# Altium PCB PCB_control_unit.PcbDoc (part 1 of 2) (continued)
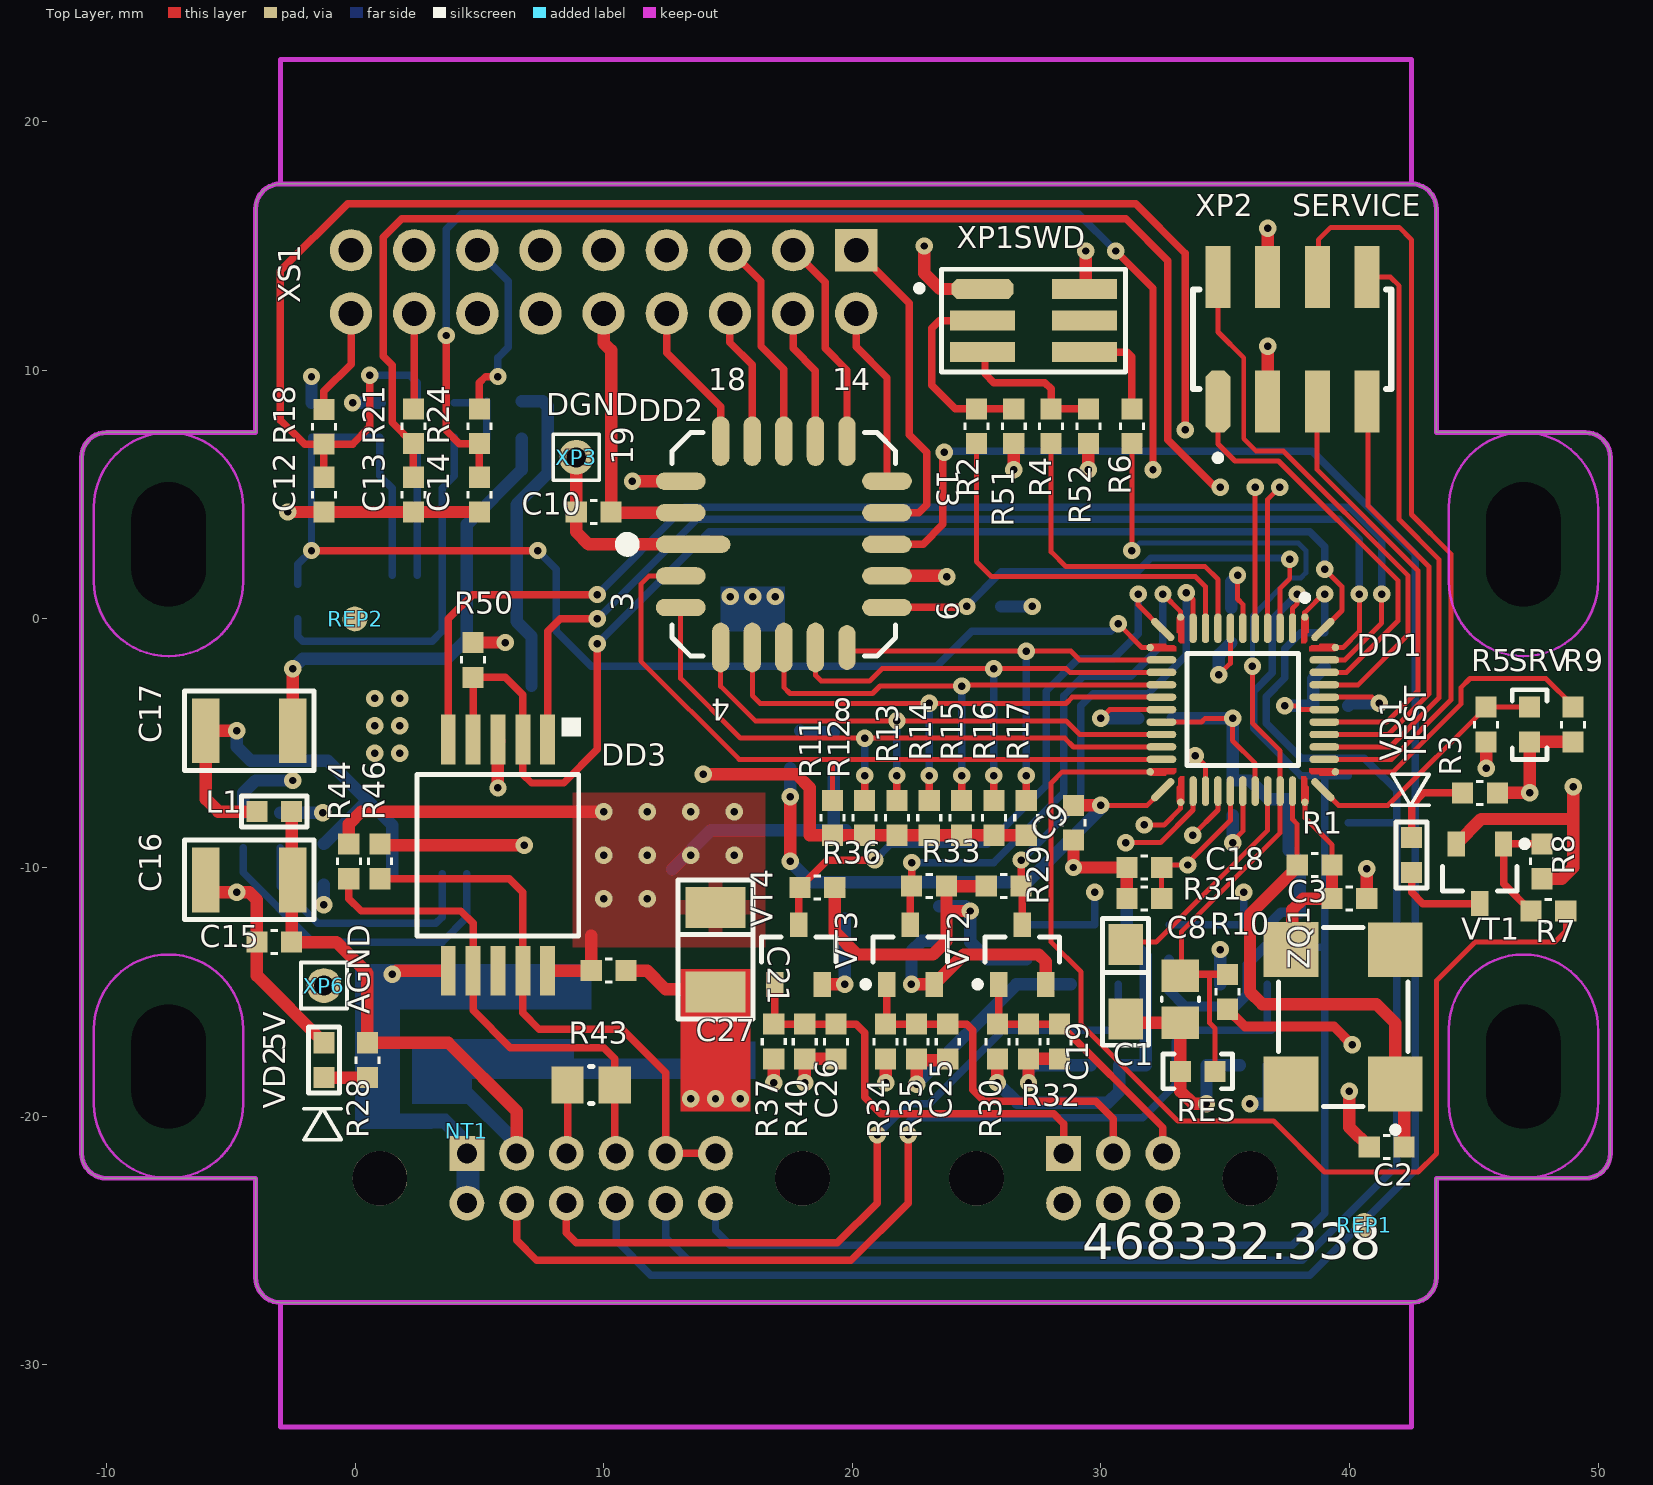
[diagram p0: Top Layer view]
## Design rules (kind name [scope] priority, off if disabled: settings) (continued)
HoleSize "Minimum HoleSize" [IsPad] p1: absolutevalues=TRUE maxlimit=5.9 minlimit=0.6 maxpercent=80.000 minpercent=20.000
HoleSize "Minimum HoleSize VIA 1" [IsVia] p2: absolutevalues=TRUE maxlimit=5.9 minlimit=0.3 maxpercent=80.000 minpercent=20.000 // Standart
HoleToHoleClearance Hole2HoleClearance [All] p1: gap=0.25 allowstackedmicrovias=FALSE
MinimumAnnularRing "Minimum AR PAD Standart" [All] p1: minimumring=0.2
MinimumSolderMaskSliver "SolderMask Bridge Advance" [HasFootprint('48-QLCC (МК 5162.48-1) - SMALL PADS') vs HasFootprint('48-QLCC (МК 5162.48-1) - SMALL PADS')] p1: minsoldermaskwidth=0.1 // Mask LDI for DD1
MinimumSolderMaskSliver "SolderMask Bridge Standart" [All] p2: minsoldermaskwidth=0.15 // Standart
PlaneClearance [All] p1: clearance=0.5
PlaneConnect [All] p1: planeconnectstyle=Relief reliefexpansion=0.5 reliefentries=4 reliefconductorwidth=0.3 reliefairgap=0.2
PolygonConnect PolygonConnect_PowerPAD [All vs InPadClass('PowerPAD')] p1: connectstyle=Direct reliefconductorwidth=1 reliefentries=4 polygonreliefangle="90 Angle" airgapwidth=0.3
PolygonConnect PolygonConnect_NetTie [IsNetTieComponent] p2: connectstyle=Direct reliefconductorwidth=0.4 reliefentries=4 polygonreliefangle="90 Angle" airgapwidth=0.2
PolygonConnect PolygonConnect_3.3V(D) [InNamedPolygon('+3.3V(D)_L01_P001') vs InNet('+3.3V(D)')] p3: connectstyle=Direct reliefconductorwidth=0.4 reliefentries=4 polygonreliefangle="90 Angle" airgapwidth=0.2
PolygonConnect PolygonConnect_Via [IsVia] p4: connectstyle=Direct reliefconductorwidth=0.254 reliefentries=4 polygonreliefangle="90 Angle" airgapwidth=0.254
PolygonConnect [All] p5: connectstyle=Relief reliefconductorwidth=0.6 reliefentries=4 polygonreliefangle="90 Angle" airgapwidth=0.3
RoutingCorners [All] p1 off: cornerstyle=45-Degree minsetback=2.54 maxsetback=2.54
RoutingVias [All] p1: holewidth=0.3 width=0.7 viastyle="Through Hole" minholewidth=0.3 minwidth=0.6 maxholewidth=5.9 maxwidth=6.4
SilkToSilkClearance Silk2SilkClearance [All] p1 off: silktosilkclearance=0.15
SilkToSolderMaskClearance Silk2SolderMaskClearance [IsPad] p1 off: minsilkscreentomaskgap=0.15 clearancetoexposedcopper=TRUE
SolderMaskExpansion SolderMaskExpansion_DD1 [InComponent('DD1')] p1: expansion=0.05 // Advance for DD1
SolderMaskExpansion SolderMaskExpansion_ALL [All] p2: expansion=0.1 // Standart
Width Silk [(OnLayer('Top Overlay') OR OnLayer('Bottom Overlay'))] p1: maxlimit=0.2 minlimit=0.15 preferedwidth=0.2
Width "Width 1 Oz" [All] p2: maxlimit=10 minlimit=0.15 preferedwidth=0.2 checkconnectedcopper=TRUE
20 further rules are at their usual default settings.

## Classes and differential pairs
pad class Hole: Free-KREP XP4-0

## Components (designator, comment, footprint, x,y, rotation, side; value= is the part's Value field where it differs from the comment)
C1 "Tantalum capacitor, 4.7мк, 10V, ±10%, 2Ohm, case A (3216), -55...+125°C" "CAP: TANTAL-A" 31,-14.6 r270 top value=4.7мк
C2 "Ceramic capacitor, 10, МП0, ±5%, 50V, 0603, -55...+125°C" "CAP: 0603P" 41.5,-21.25 r180 top value=10
C3 "Ceramic capacitor, 10, МП0, ±5%, 50V, 0603, -55...+125°C" "CAP: 0603P" 40,-11.25 r0 top value=10
C4 "Ceramic capacitor, 0.1мк, H90, +80-20%, 10V, 0603, -55...+125°C" "CAP: 0603P" 32.2,-4 r0 bottom value=0.1мк
C5 "Ceramic capacitor, 0.1мк, H90, +80-20%, 10V, 0603, -55...+125°C" "CAP: 0603P" 35.25,-0.25 r270 bottom value=0.1мк
C6 "Ceramic capacitor, 0.1мк, H90, +80-20%, 10V, 0603, -55...+125°C" "CAP: 0603P" 39.25,-3.5 r180 bottom value=0.1мк
C7 "Ceramic capacitor, 0.1мк, H90, +80-20%, 10V, 0603, -55...+125°C" "CAP: 0603P" 35.3,-7.2 r90 bottom value=0.1мк
C8 "Ceramic capacitor, 0.22мк, H90, +80/-20%, 25V, 0805 (2012M), -55...+125°C" "CAP: 0805P" 33.2,-15.3 r90 top value=0.22мк
C9 "Ceramic capacitor, 0.1мк, H90, +80-20%, 10V, 0603, -55...+125°C" "CAP: 0603P" 28.9,-8.2 r90 top value=0.1мк
C10 "Ceramic capacitor, 0.1мк, H90, +80-20%, 10V, 0603, -55...+125°C" "CAP: 0603P" 9.6,4.3 r0 top value=0.1мк
C11 "Ceramic capacitor, 0.1мк, H90, +80-20%, 10V, 0603, -55...+125°C" "CAP: 0603P" -1.25,-9.75 r90 bottom value=0.1мк
C12 "Ceramic capacitor, 0.01мк, H20, ±20%, 50V, 0603, -55...+125°C" "CAP: 0603P" -1.25,5 r270 top value=0.01мк
C13 "Ceramic capacitor, 0.1мк, H90, +80-20%, 10V, 0603, -55...+125°C" "CAP: 0603P" 2.35,5 r90 top value=0.1мк
C14 "Ceramic capacitor, 0.1мк, H90, +80-20%, 10V, 0603, -55...+125°C" "CAP: 0603P" 5,5 r90 top value=0.1мк
C15 "Ceramic capacitor, 0.1мк, H90, +80-20%, 10V, 0603, -55...+125°C" "CAP: 0603P" -3.25,-13 r0 top value=0.1мк
C16 "Ceramic capacitor, 4.7мк, H90, +80 -20%, 25V, 1812 (4532М) (4.5x3.2), -55...+125°C" "CAP: 1210" -4.25,-10.5 r0 top locked value=2.2мк
C17 "Ceramic capacitor, 4.7мк, H90, +80 -20%, 25V, 1812 (4532М) (4.5x3.2), -55...+125°C" "CAP: 1210" -4.25,-4.5 r180 top locked value=2.2мк
C18 "Ceramic capacitor, 0.1мк, H90, +80-20%, 10V, 0603, -55...+125°C" "CAP: 0603P" 31.75,-10 r0 top value=0.1мк
C19 "Ceramic capacitor, 0.01мк, H20, ±20%, 50V, 0603, -55...+125°C" "CAP: 0603P" 28.342,-17 r270 top value=0.01мк
C20 "Ceramic capacitor, 0.47мк, Н20, ±10%, 25V, 1210 (3225M)," "CAP: 1210" 6.3,-16.2 r270 bottom value=0.47мк
C21 "Tantalum capacitor, 15мк, 10V, ±10%, , case B (3528), -55...+125°C" "CAP: TANTAL-B" 14.5,-13.3 r270 top locked value=15мк
C22 "Ceramic capacitor, 0.1мк, H90, +80-20%, 10V, 0603, -55...+125°C" "CAP: 0603P" 23.5,-12.25 r90 bottom value=0.1мк
C23 "Ceramic capacitor, 4.7мк, H90, +80 -20%, 25V, 1812 (4532М) (4.5x3.2), -55...+125°C" "CAP: 1210" 19.75,-10.25 r90 bottom value=2.2мк
C24 "Ceramic capacitor, 4.7мк, H90, +80 -20%, 25V, 1812 (4532М) (4.5x3.2), -55...+125°C" "CAP: 1210" 16,-2.5 r270 bottom value=2.2мк
C25 "Ceramic capacitor, 0.01мк, H20, ±20%, 50V, 0603, -55...+125°C" "CAP: 0603P" 23.842,-17 r270 top value=0.01мк
C26 "Ceramic capacitor, 0.01мк, H20, ±20%, 50V, 0603, -55...+125°C" "CAP: 0603P" 19.342,-17 r270 top value=0.01мк
C27 "Ceramic capacitor, 0.1мк, H90, +80-20%, 10V, 0603, -55...+125°C" "CAP: 0603P" 10.2,-14.15 r0 top value=0.1мк
C28 "Ceramic capacitor, 0.01мк, H20, ±20%, 50V, 0603, -55...+125°C" "CAP: 0603P" 34.25,-17.25 r270 bottom value=0.01мк
C30 "Tantalum capacitor, 4.7мк, 10V, ±10%, 2Ohm, case A (3216), -55...+125°C" "CAP: TANTAL-A" 3.1,-16.3 r90 bottom value=4.7мк
C31 "Ceramic capacitor, 0.01мк, H20, ±20%, 50V, 0603, -55...+125°C" "CAP: 0603P" 28.25,-17.25 r270 bottom value=0.01мк
C32 "Ceramic capacitor, 0.01мк, H20, ±20%, 50V, 0603, -55...+125°C" "CAP: 0603P" -1.75,8 r90 bottom value=0.01мк
DA1 "IC comparator, Open Drain, от ± 1,5В до ± 16,5В, -60...+125°C, Н04.16-1В" 16-Н04.16-1B 3,-4.25 r270 bottom locked
DA2 "Linear voltage regulator, input 4.75...15V, 1.3V, output 3.3V, 0.8A, -40...+85°C, КТ-93-1" KT-93-1 12.75,-12.075 r180 bottom locked
DD1 "Motor control microcontroller, 32-Bit, RISC, 100MHz, 64KB, 16KB, 3,3 В ± 10 %., -60...+85°C, 48-QLCC (МК 5162.48-1)" "48-QLCC (МК 5162.48-1) - SMALL PADS" 35.711,-3.65 r270 top locked
DD2 "8 канальный буфер, 4.5..5.5V, -60...+125°C, 5121.20-A" "20-QLCC (5121.20-A)" 17.25,3 r180 top locked
DD3 "5559ИН28У" Н02.8-1В 5.75,-9.5 r270 top locked
L1 "Fixed inductor, 1мк, ±20%, 0603, 400mA, -55...+125°C" "IND: 0603" -3.25,-7.75 r0 top value=1мк
L2 "Fixed inductor, 1мк, ±20%, 0603, 400mA, -55...+125°C" "IND: 0603" 19.25,-5.25 r270 bottom value=1мк
NT1 "ValueManufacturerPartNumber" NETTIE_0603 4.5,-20.6 r90 top net-tie
R1 "Resistor film, 1М, ±5%, 0603, 0.1W, -55...+125°C" "RES: 0603P" 38.6,-9.9 r180 top value=1М
R2 "Resistor film, 22, ±5%, 0603, 0.1W, -55...+125°C" "RES: 0603P" 25,7.75 r90 top value=22
R3 "Resistor film, 330, ±5%, 0603, 0.1W, -55...+125°C" "RES: 0603P" 45.25,-7 r180 top value=330
R4 "Resistor film, 22, ±5%, 0603, 0.1W, -55...+125°C" "RES: 0603P" 28,7.75 r90 top value=22
R5 "Resistor film, 10k, ±5%, 0603, 0.1W, -55...+125°C" "RES: 0603P" 45.5,-4.25 r270 top value=10k
R6 "Resistor film, 22, ±5%, 0603, 0.1W, -55...+125°C" "RES: 0603P" 31.25,7.75 r90 top value=22
R7 "Resistor film, 10k, ±5%, 0603, 0.1W, -55...+125°C" "RES: 0603P" 48,-11.75 r0 top value=10k
R8 "Resistor film, 10k, ±5%, 0603, 0.1W, -55...+125°C" "RES: 0603P" 47.75,-9.75 r90 top value=10k
R9 "Resistor film, 10k, ±5%, 0603, 0.1W, -55...+125°C" "RES: 0603P" 49,-4.25 r90 top value=10k
R10 "Resistor film, 100k, ±5%, 0603, 0.1W, -55...+125°C" "RES: 0603P" 35.1,-15 r270 top value=100k
R11 "Resistor film, 10k, ±5%, 0603, 0.1W, -55...+125°C" "RES: 0603P" 19.2,-8 r270 top value=10k
R12 "Resistor film, 10k, ±5%, 0603, 0.1W, -55...+125°C" "RES: 0603P" 20.5,-8 r270 top value=10k
R13 "Resistor film, 10k, ±5%, 0603, 0.1W, -55...+125°C" "RES: 0603P" 21.8,-8 r270 top value=10k
R14 "Resistor film, 10k, ±5%, 0603, 0.1W, -55...+125°C" "RES: 0603P" 23.1,-8 r270 top value=10k
R15 "Resistor film, 10k, ±5%, 0603, 0.1W, -55...+125°C" "RES: 0603P" 24.4,-8 r270 top value=10k
R16 "Resistor film, 10k, ±5%, 0603, 0.1W, -55...+125°C" "RES: 0603P" 25.7,-8 r270 top value=10k
R17 "Resistor film, 10k, ±5%, 0603, 0.1W, -55...+125°C" "RES: 0603P" 27,-8 r270 top value=10k
R18 "Resistor film, 100, ±5%, 0603, 0.1W, -55...+125°C" "RES: 0603P" -1.25,7.73 r270 top value=100
R19 "Resistor film, 1k, ±1%, 0603, 0.1W, -55...+125°C" "RES: 0603P" 6,8.75 r180 bottom value=1k
R20 "Resistor film, 10k, ±5%, 0603, 0.1W, -55...+125°C" "RES: 0603P" 1,8 r270 bottom value=10k
R21 "Resistor film, 100, ±5%, 0603, 0.1W, -55...+125°C" "RES: 0603P" 2.35,7.75 r270 top value=100
R22 "Resistor film, 10k, ±5%, 0603, 0.1W, -55...+125°C" "RES: 0603P" 2.5,8 r270 bottom value=10k
R23 "Resistor film, 4.02k, ±1%, 0603, 0.1W, -55...+125°C" "RES: 0603P" 6,7.25 r0 bottom value=4.02k
R24 "Resistor film, 100, ±5%, 0603, 0.1W, -55...+125°C" "RES: 0603P" 5,7.75 r270 top value=100
R25 "Resistor film, 10k, ±5%, 0603, 0.1W, -55...+125°C" "RES: 0603P" -3,-8.5 r90 bottom value=10k
R26 "Resistor film, 10k, ±5%, 0603, 0.1W, -55...+125°C" "RES: 0603P" -4.5,-8.5 r90 bottom value=10k
R27 "Resistor film, 1k, ±1%, 0603, 0.1W, -55...+125°C" "RES: 0603P" 31.75,-10 r0 bottom value=1k
R28 "Resistor film, 680, ±5%, 0603, 0.1W, -55...+125°C" "RES: 0603P" 0.5,-17.75 r270 top value=680
R29 "Resistor film, 10k, ±5%, 0603, 0.1W, -55...+125°C" "RES: 0603P" 26.092,-10.75 r0 top value=10k
R30 "Resistor film, 1k, ±1%, 0603, 0.1W, -55...+125°C" "RES: 0603P" 25.842,-17 r90 top value=1k
R31 "Resistor film, 1k, ±1%, 0603, 0.1W, -55...+125°C" "RES: 0603P" 31.75,-11.25 r180 top value=1k
R32 "Resistor film, 10k, ±5%, 0603, 0.1W, -55...+125°C" "RES: 0603P" 27.092,-17 r90 top value=10k
R33 "Resistor film, 10k, ±5%, 0603, 0.1W, -55...+125°C" "RES: 0603P" 23.092,-10.75 r180 top value=10k
R34 "Resistor film, 1k, ±1%, 0603, 0.1W, -55...+125°C" "RES: 0603P" 21.342,-17 r90 top value=1k
R35 "Resistor film, 10k, ±5%, 0603, 0.1W, -55...+125°C" "RES: 0603P" 22.592,-17 r90 top value=10k
R36 "Resistor film, 10k, ±5%, 0603, 0.1W, -55...+125°C" "RES: 0603P" 18.6,-10.8 r180 top value=10k
R37 "Resistor film, 1k, ±1%, 0603, 0.1W, -55...+125°C" "RES: 0603P" 16.842,-17 r90 top value=1k
R38 "Resistor film, 10k, ±5%, 0603, 0.1W, -55...+125°C" "RES: 0603P" 39,-1.25 r90 bottom value=10k
R39 "Resistor film, 10k, ±5%, 0603, 0.1W, -55...+125°C" "RES: 0603P" 38,-12.5 r270 bottom value=10k
R40 "Resistor film, 10k, ±5%, 0603, 0.1W, -55...+125°C" "RES: 0603P" 18.092,-17 r90 top value=10k
R41 "Resistor film, 10k, ±5%, 0603, 0.1W, -55...+125°C" "RES: 0603P" 32.75,-13 r90 bottom value=10k
R42 "Resistor film, 1k, ±1%, 0603, 0.1W, -55...+125°C" "RES: 0603P" 36.75,-17.25 r90 bottom value=1k
R43 "Resistor film, 120, ±5%, 0805, 0.125W, -55...+125°C" "RES: 0805P" 9.5,-18.75 r0 top value=120
R44 "Resistor film, 1k, ±1%, 0603, 0.1W, -55...+125°C" "RES: 0603P" -0.25,-9.75 r270 top value=1k
R45 "Resistor film, 10k, ±5%, 0603, 0.1W, -55...+125°C" "RES: 0603P" 35.5,-17.25 r90 bottom value=10k
R46 "Resistor film, 1k, ±1%, 0603, 0.1W, -55...+125°C" "RES: 0603P" 1,-9.75 r90 top value=1k
R47 "Resistor film, 10k, ±5%, 0603, 0.1W, -55...+125°C" "RES: 0603P" 27,-13 r90 bottom value=10k
R48 "Resistor film, 1k, ±1%, 0603, 0.1W, -55...+125°C" "RES: 0603P" 30.75,-17.25 r90 bottom value=1k
R49 "Resistor film, 10k, ±5%, 0603, 0.1W, -55...+125°C" "RES: 0603P" 29.5,-17.25 r90 bottom value=10k
R50 "Resistor film, 10k, ±5%, 0603, 0.1W, -55...+125°C" "RES: 0603P" 4.75,-1.65 r90 top value=10k
R51 "Resistor film, 10k, ±5%, 0603, 0.1W, -55...+125°C" "RES: 0603P" 26.5,7.75 r90 top value=10k
R52 "Resistor film, 10k, ±5%, 0603, 0.1W, -55...+125°C" "RES: 0603P" 29.5,7.75 r90 top value=10k
R53 "Resistor film, 100k, ±5%, 0603, 0.1W, -55...+125°C" "RES: 0603P" -2.3,0.7 r90 bottom value=100k
R54 "Resistor film, 10k, ±5%, 0603, 0.1W, -55...+125°C" "RES: 0603P" 4,8 r270 bottom value=10k
R55 "Resistor film, 10k, ±5%, 0603, 0.1W, -55...+125°C" "RES: 0603P" 26,1.2 r270 bottom value=10k
REP1 "" REPER 40.6,-24.4 r0 top locked
REP2 "" REPER 0,0 r0 top locked
REP3 "" REPER 37,12.5 r180 bottom locked
REP4 "" REPER 20.25,-16.75 r180 bottom locked
RES "ValueManufacturerPartNumber" "CON: JUMPER X1" 33.9,-18.2 r0 top
SRV "ValueManufacturerPartNumber" "CON: JUMPER X1" 47.25,-4.25 r90 top
VD1 "LED, 20mA max, 2.1V typ, 1608, -55...+150°C" "LED: 0603G" 42.5,-9.5 r270 top
VD2 "LED, 20mA max, 1.9V@4mA, 1608, -55...+150°C" "LED: 0603G" -1.25,-17.75 r90 top
VD3 "Diode array common anode, 50V, 200mA, 1.1V, , SOT-23," SOT23 38.75,-7.25 r180 bottom
VT1 "NPN transistor, 30V, 100mA, , 300mW, 0.7V, 500, SOT-23 (КТ-46), -55...+125°C" SOT23 45.25,-10.25 r270 top
VT2 "NPN transistor, 30V, 100mA, , 300mW, 0.7V, 500, SOT-23 (КТ-46), -55...+125°C" SOT23 26.842,-13.5 r90 top
VT3 "NPN transistor, 30V, 100mA, , 300mW, 0.7V, 500, SOT-23 (КТ-46), -55...+125°C" SOT23 22.342,-13.5 r90 top
VT4 "NPN transistor, 30V, 100mA, , 300mW, 0.7V, 500, SOT-23 (КТ-46), -55...+125°C" SOT23 17.842,-13.5 r90 top
VT5 "NPN transistor, 30V, 100mA, , 300mW, 0.7V, 500, SOT-23 (КТ-46), -55...+125°C" SOT23 35.75,-13.5 r90 bottom
VT6 "NPN transistor, 30V, 100mA, , 300mW, 0.7V, 500, SOT-23 (КТ-46), -55...+125°C" SOT23 29.75,-13.5 r90 bottom
XP1 "SWD" "CON: PLLD-6-S" 27.292,12 r270 top locked
XP2 "SERVICE" "CON: PLD2-8-S" 37.711,11.25 r180 top locked
XP3 "DGND" "CON: PLS2-1" 8.9,6.5 r0 top locked
XP4 "Вилка, 6pin, 2mm, 120VAC, 1.5A" "CON: M80-5000605" 30.5,-22.5 r270 bottom locked
XP5 "Вилка, 12pin, 2mm, 100V, 1.5A" "CON: M80-5001205" 9.5,-22.5 r270 bottom locked
XP6 "AGND" "CON: PLS2-1" -1.25,-14.75 r0 top locked
XS1 "Connector, 18pin, 2.54mm, 500VAC, 3A" "CON: PBD-18" 20.16,14.83 r180 bottom locked
ZQ1 "Oscilator, 12MHz, CMOS, ±30ppm, case 5070, -40...+85°C" "OSC: 5070G" 39.75,-16 r90 top locked

## Footprints (in the part's own frame and the unit in brackets; to place one, negate y for a bottom-side part, rotate by r counter-clockwise, add the part's x,y. Pads: shape width x height; smd on the part's side, far side on the other; paste and mask are expansions set on the pad)
16-Н04.16-1B [mm] "USSR"
  rect 0.6x2 smd: 1(-0.5,6) 8(-0.5,-6) 9(0.5,-6) 16(0.5,6)
  rect 2x0.6 smd: 2(-6,2.5) 3(-6,1.5) 4(-6,0.5) 5(-6,-0.5) 6(-6,-1.5) 7(-6,-2.5) 10(6,-2.5) 11(6,-1.5) 12(6,-0.5) 13(6,0.5) 14(6,1.5) 15(6,2.5)
  silkscreen extent -4.6,-4.65 4.65,7.13, body extent -7.84,-8 7.84,8, height 2.92
"20-QLCC (5121.20-A)" [mm] "LCC, 20-Pins, Body 8,89x8,89mmx2,55mm, Pitch 1,27mm, IPC Medium Density"
  oval 3x0.7 smd: 1(3.65,0)
  oval 2x0.7 smd: 2(4.15,1.27) 3(4.15,2.54) 9(-4.15,2.54) 10(-4.15,1.27) 11(-4.15,0) 12(-4.15,-1.27) 13(-4.15,-2.54) 19(4.15,-2.54) 20(4.15,-1.27)
  oval 0.7x2 smd: 4(2.54,4.15) 5(1.27,4.15) 6(0,4.15) 7(-1.27,4.15) 14(-2.54,-4.15) 15(-1.27,-4.15) 16(0,-4.15) 17(1.27,-4.15) 18(2.54,-4.15)
  oval 0.7x1.8 smd: 8(-2.54,4.15)
  silkscreen extent -4.5,-4.5 6.55,4.5, body extent -4.44,-4.44 4.45,4.45, height 2.12
"48-QLCC (МК 5162.48-1) - SMALL PADS" [mm] "QFN-cl-h-48-0.5-002 Тихонов Е.Н., clearance 0.15"
  round 0.3 smd mask+0.05: 1(-3.725,2.5) 11(-3.725,-2.5) 13(-2.5,-3.725) 23(2.5,-3.725) 25(3.725,-2.5) 35(3.725,2.5) 37(2.5,3.725) 47(-2.5,3.725)
  oval 1.2x0.3 smd mask+0.05: 2(-3.275,2) 3(-3.275,1.5) 4(-3.275,1) 5(-3.275,0.5) 6(-3.275,0) 7(-3.275,-0.5) 8(-3.275,-1) 9(-3.275,-1.5) 10(-3.275,-2) 26(3.275,-2) 27(3.275,-1.5) 28(3.275,-1) 29(3.275,-0.5) 30(3.275,0) 31(3.275,0.5) 32(3.275,1) 33(3.275,1.5) 34(3.275,2)
  oval 0.3x1.2 smd rot 135 mask+0.05: 12(-3.22,-3.22) 36(3.22,3.22)
  oval 0.3x1.2 smd mask+0.05: 14(-2,-3.275) 15(-1.5,-3.275) 16(-1,-3.275) 17(-0.5,-3.275) 18(0,-3.275) 19(0.5,-3.275) 20(1,-3.275) 21(1.5,-3.275) 22(2,-3.275) 38(2,3.275) 39(1.5,3.275) 40(1,3.275) 41(0.5,3.275) 42(0,3.275) 43(-0.5,3.275) 44(-1,3.275) 45(-1.5,3.275) 46(-2,3.275)
  oval 0.3x1.2 smd rot 45 mask+0.05: 24(3.22,-3.22) 48(-3.22,3.22)
  Top Layer region: -2.675,-2.526 -2.675,-2.35 -3.725,-2.35 -3.725,-2.65 -3.1,-2.65 -3.05,-2.6 -2.75,-2.6
  Top Layer region: -2.526,-2.675 -2.35,-2.675 -2.35,-3.725 -2.65,-3.725 -2.65,-3.1 -2.6,-3.05 -2.6,-2.75
  Top Layer region: 2.675,-2.526 2.675,-2.35 3.725,-2.35 3.725,-2.65 3.1,-2.65 3.05,-2.6 2.75,-2.6
  Top Layer region: 2.526,-2.675 2.35,-2.675 2.35,-3.725 2.65,-3.725 2.65,-3.1 2.6,-3.05 2.6,-2.75
  Top Layer region: 2.526,2.675 2.35,2.675 2.35,3.725 2.65,3.725 2.65,3.1 2.6,3.05 2.6,2.75
  Top Layer region: 2.675,2.526 2.675,2.35 3.725,2.35 3.725,2.65 3.1,2.65 3.05,2.6 2.75,2.6
  Top Layer region: -2.675,2.526 -2.675,2.35 -3.725,2.35 -3.725,2.65 -3.1,2.65 -3.05,2.6 -2.75,2.6
  Top Layer region: -2.526,2.675 -2.35,2.675 -2.35,3.725 -2.65,3.725 -2.65,3.1 -2.6,3.05 -2.6,2.75
  silkscreen extent -4.62,-2.25 2.25,2.63, body extent -3,-3 3,3, height 1.61
"CAP: 0603P" [mm] "small var"
  rect 0.85x0.85 smd: 1(-0.7,0) 2(0.7,0)
  silkscreen extent -0.15,-0.52 0.15,0.53, body extent -0.8,-0.4 0.8,0.4, height 0.3
"CAP: 0805P" [mm] "small footprint"
  rect 1.3x1.5 smd: 1(-0.95,0) 2(0.95,0)
  Top Layer pour cut-out: -0.25,-0.75 -0.25,0.75 0.25,0.75 0.25,-0.75
  silkscreen extent -0.08,-0.75 0.08,0.75, body extent -1,-0.62 1,0.63, height 0.78
"CAP: 1210" [mm]
  rect 1.1x2.6 smd: 1(-1.75,0) 2(1.75,0)
  silkscreen extent -2.6,-1.6 2.6,1.6, body extent -2,-1.24 2,1.24, height 1.7
"CAP: TANTAL-A" [mm]
  rect 1.65x1.4 smd: 1(-1.5,0) 2(1.5,0)
  silkscreen extent -2.55,-0.92 2.55,0.92, body extent -1.7,-0.84 1.7,0.84, height 1.71
"CAP: TANTAL-B" [mm]
  rect 1.65x2.4 smd: 1(-1.7,0) 2(1.7,0)
  silkscreen extent -2.8,-1.5 2.8,1.5, body extent -1.85,-1.46 1.85,1.47, height 2.03
"CON: JUMPER X1" [mm]
  rect 0.85x0.85 smd: 1(-0.7,0) 2(0.7,0)
  silkscreen extent -1.4,-0.7 1.4,0.7
"CON: M80-5000605" [mm] "HR500"
  round 2.2 hole 2.2 unplated mask+0.2: 0(0,-5.5) 0(0,5.5)
  rect 1.4x1.4 hole 0.8: 1(-1,2)
  round 1.4 hole 0.8: 2(1,2) 3(-1,0) 4(1,0) 5(-1,-2) 6(1,-2)
  Top Layer keep-out lines w0.1: 1.75,7.25 1.75,3.75 -1.75,3.75 -1.75,7.25 1.75,7.25 ; 1.75,-3.75 1.75,-7.25 -1.75,-7.25 -1.75,-3.75 1.75,-3.75
  Bottom Layer pour cut-out: 2.2,-5.5 1.982,-4.545 1.372,-3.78 0.49,-3.355 -0.49,-3.355 -1.372,-3.78 -1.982,-4.545 -2.2,-5.5 -2.2,-5.5 -1.982,-6.455 -1.372,-7.22 -0.49,-7.645 0.49,-7.645 1.372,-7.22 1.982,-6.455 2.2,-5.5
  Bottom Layer pour cut-out: 2.2,5.5 1.982,6.455 1.372,7.22 0.49,7.645 -0.49,7.645 -1.372,7.22 -1.982,6.455 -2.2,5.5 -2.2,5.5 -1.982,4.545 -1.372,3.78 -0.49,3.355 0.49,3.355 1.372,3.78 1.982,4.545 2.2,5.5
  silkscreen extent -3,-8 3.25,8, body extent -2.78,-8 3.27,8, height 5.6
"CON: M80-5001205" [mm] "без винтов"
  round 2.2 hole 2.2 unplated mask+0.2: 0(0,-8.5) 0(0,8.5)
  rect 1.4x1.4 hole 0.8: 1(-1,5)
  round 1.4 hole 0.8: 2(1,5) 3(-1,3) 4(1,3) 5(-1,1) 6(1,1) 7(-1,-1) 8(1,-1) 9(-1,-3) 10(1,-3) 11(-1,-5) 12(1,-5)
  Top Layer keep-out lines w0.1: 1.75,10.25 -1.75,10.25 -1.75,6.75 1.75,6.75 1.75,10.25 ; 1.75,-6.75 -1.75,-6.75 -1.75,-10.25 1.75,-10.25 1.75,-6.75
  Bottom Layer pour cut-out: 2.2,8.5 1.982,9.455 1.372,10.22 0.49,10.645 -0.49,10.645 -1.372,10.22 -1.982,9.455 -2.2,8.5 -2.2,8.5 -1.982,7.545 -1.372,6.78 -0.49,6.355 0.49,6.355 1.372,6.78 1.982,7.545 2.2,8.5
  Bottom Layer pour cut-out: 2.2,-8.5 1.982,-7.545 1.372,-6.78 0.49,-6.355 -0.49,-6.355 -1.372,-6.78 -1.982,-7.545 -2.2,-8.5 -2.2,-8.5 -1.982,-9.455 -1.372,-10.22 -0.49,-10.645 0.49,-10.645 1.372,-10.22 1.982,-9.455 2.2,-8.5
  silkscreen extent -3,-10.97 3.25,10.97, body extent -2.78,-11 3.27,11, height 5.6
"CON: PBD-18" [mm] "PBD-18"
  rect 1.7x1.7 hole 1: 1(0,0)
  round 1.7 hole 1: 2(0,-2.54) 3(2.54,0) 4(2.54,-2.54) 5(5.08,0) 6(5.08,-2.54) 7(7.62,0) 8(7.62,-2.54) 9(10.16,0) 10(10.16,-2.54) 11(12.7,0) 12(12.7,-2.54) 13(15.24,0) 14(15.24,-2.54) 15(17.78,0) 16(17.78,-2.54) 17(20.32,0) 18(20.32,-2.54)
  silkscreen extent -1.42,-3.95 21.74,1.41, body extent -1.27,-3.81 21.59,1.27, height 8.5
"CON: PLD2-8-S" [mm] "двухрядные штыри, шаг 2мм; SMD"
  oct 1x2.5 smd mask+0.1: 1(3,2.5)
  rect 1x2.5 smd mask+0.1: 2(3,-2.5) 3(1,2.5) 4(1,-2.5)
  rect 1x2.5 smd: 5(-1,2.5) 6(-1,-2.5) 7(-3,2.5) 8(-3,-2.5)
  silkscreen extent -3.97,-2 4,4.9, body extent -4,-3.1 4,3.1, height 6
"CON: PLLD-6-S" [mm] "smd 6 pin"
  oct 0.8x2.5 smd: 1(-1.27,-2.05)
  rect 0.8x2.6 smd: 2(-1.27,2.05) 3(0,-2.05) 4(0,2.05) 5(1.27,-2.05) 6(1.27,2.05)
  silkscreen extent -2.06,-4.72 2.06,3.7, body extent -1.9,-2.77 1.91,2.8, height 4.4
"CON: PLS2-1" [mm] "1 Position,pitch 2mm"
  round 1.4 hole 0.8: 1(0,0)
  silkscreen extent -0.92,-0.92 0.92,0.92, body extent -1,-1 1,1, height 6
"IND: 0603" [mm]
  rect 0.85x0.85 smd: 1(-0.7,0) 2(0.7,0)
  silkscreen extent -1.33,-0.63 1.33,0.63, body extent -0.8,-0.4 0.8,0.4, height 0.8
KT-93-1 [mm]
  rect 7.7x6.1 smd mask+0.075: 1(0,2)
  rect 2.9x3.5 smd mask+0.075: 2(-1.905,-3.35) 3(1.905,-3.35)
  silkscreen extent -4.25,-5.5 4.25,5.25, body extent -3.75,-5.07 3.75,5.03, height 3
"LED: 0603G" [mm]
  rect 0.85x0.85 smd: 1(-0.7,0) 2(0.7,0)
  silkscreen extent -1.33,-0.63 1.33,0.63, body extent -0.8,-0.4 0.8,0.4, height 0.6
NETTIE_0603 [mm]
  rect 0.85x1 on Mid2: 1(-0.7,0) 2(0.7,0)
  INT2 region: -0.3,-0.5 0.3,-0.5 0.3,0.5 -0.3,0.5
"OSC: 5070G" [mm]
  rect 2.2x2.2 smd: 1(-2.705,-2.1) 2(2.695,-2.1) 3(2.705,2.1) 4(-2.705,2.1)
  silkscreen extent -4.67,-2.6 3.6,2.6, body extent -3.51,-2.5 3.49,2.5, height 1.51
REPER [mm] "реперная метка для станка"
  round 1 smd mask+0.5: R(0,0)
  Top Layer pour cut-out: 0.017,-1 -0.367,-0.93 -0.695,-0.719 -0.917,-0.399 -1,-0.017 -1,-0.017 -0.93,0.366 -0.719,0.695 -0.399,0.917 -0.017,1 -0.017,1 0.367,0.93 0.695,0.719 0.917,0.399 1,0.017 1,0.017 0.93,-0.367 0.719,-0.695 0.399,-0.917 0.017,-1
"RES: 0603P" [mm] "small footprint"
  rect 0.85x0.85 smd: 1(-0.7,0) 2(0.7,0)
  silkscreen extent -0.15,-0.52 0.15,0.53, body extent -0.8,-0.4 0.8,0.4, height 0.44
"RES: 0805P" [mm] "small footprint"
  rect 1.3x1.5 smd: 1(-0.95,0) 2(0.95,0)
  Top Layer pour cut-out: -0.25,-0.75 -0.25,0.75 0.25,0.75 0.25,-0.75
  silkscreen extent -0.08,-0.75 0.08,0.75, body extent -1,-0.62 1,0.63, height 0.6
SOT23 [mm]
  rect 1x0.7 smd: 1(-1.2,0.95) 2(-1.2,-0.95) 3(1.2,0)
  silkscreen extent -1.33,-1.5 0.7,1.92, body extent -1.32,-1.52 1.32,1.52, height 1.12
Н02.8-1В [mm] "USSR"
  rect 2x0.6 smd: 1(-4.65,2) 2(-4.65,1) 3(-4.65,-1) 4(-4.65,-2) 5(4.65,-2) 6(4.65,-1) 7(4.65,1) 8(4.65,2) 9(-4.65,0) 10(4.65,0)
  silkscreen extent -5.53,-3.25 3.25,3.32, body extent -4.75,-3.25 4.75,3.25, height 2.85

## Part data
C1 C30: library part Tantal_A, Manufacturer=Элеконд, Package="case A (3216)", PartNumber="К53-68 \"А\"-10 В-4.7 мкф", Temperature=-55...+125°C, Tolerance=±10%, TypeCapacitor="Tantalum capacitor", TypeDielectric=X7R, Voltage=10V, HelpURL=https://www.digikey.com/product-detail/en/avx-corporation/F930J107KAAAJ6/478-12404-1-ND/9645231, Impedance=2Ohm, MAX=00130629, ValueManufacturerPartNumber="Tantalum capacitor, 4.7мк, 10V, ±10%, 2Ohm, case A (3216), -55...+125°C"
C2 C3: library part Ceramic_0603, Manufacturer=Монолит, Package=0603, PartNumber="К10-84в-1608М-50В-10 пФ ±5%-МП0-N-A", Temperature=-55...+125°C, Tolerance=±5%, TypeCapacitor="Ceramic capacitor", TypeDielectric=МП0, Voltage=50V, Analog="00133079 (pin-to-pin)", ValueManufacturerPartNumber="Ceramic capacitor, 10, МП0, ±5%, 50V, 0603, -55...+125°C"
C4 C5 C6 C7 C9 C10 C11 C13 C14 C15 C18 C22 C27: library part Ceramic_0603, Manufacturer=Гириконд, Package=0603, PartNumber="К10-79-10В-0,1 мкФ +80-20% H90", Temperature=-55...+125°C, Tolerance=+80-20%, TypeCapacitor="Ceramic capacitor", TypeDielectric=H90, Voltage=10V, HelpURL=http://www.giricond.ru/files/k10-79_vp_2018_saiyt.pdf, ValueManufacturerPartNumber="Ceramic capacitor, 0.1мк, H90, +80-20%, 10V, 0603, -55...+125°C"
  C4 C5 C6 C7 C9 C10 C11 C13 C14: MAX=00131675
C8: library part Ceramic_5750M, Manufacturer=Монолит, Package="0805 (2012M)", PartNumber="К10-84в-1608М-25В-220 нФ +80/-20%-Н90-N-A", Temperature=-55...+125°C, Tolerance=+80/-20%, TypeCapacitor="Ceramic capacitor", TypeDielectric=H90, Voltage=25V, Analog="MAX 00131682 (pin-to-pin)", ValueManufacturerPartNumber="Ceramic capacitor, 0.22мк, H90, +80/-20%, 25V, 0805 (2012M), -55...+125°C"
C12 C19 C25 C26 C28 C31 C32: library part Ceramic_0603, Manufacturer=Монолит, Package=0603, PartNumber="К10-84в-1608М-50В-0.01мк ±20%-Н20-N-A", Temperature=-55...+125°C, Tolerance=±20%, TypeCapacitor="Ceramic capacitor", TypeDielectric=H20, Voltage=50V, Analog="MAX 00131676 (pin-to-pin)", HelpURL=http://www.monolit.vitebsk.by/Files/K10-84.pdf, ValueManufacturerPartNumber="Ceramic capacitor, 0.01мк, H20, ±20%, 50V, 0603, -55...+125°C"
C16 C17 C23 C24: library part Ceramic_1210, Manufacturer=Монолит, Package="1210 (3225М)", PartNumber="К10-84в-3225М-25В-2,2 мкФ +80/-20%-Н90-N-A", Temperature=-55...+125°C, Tolerance="+80 -20%", TypeCapacitor="Ceramic capacitor", TypeDielectric=H90, Voltage=25V, HelpURL=https://www.digikey.com/product-detail/en/yageo/CC1210KKX7R9BB104/311-4522-1-ND/8025611, ValueManufacturerPartNumber="Ceramic capacitor, 4.7мк, H90, +80 -20%, 25V, 1812 (4532М) (4.5x3.2), -55...+125°C"
C20: library part Ceramic_0603, Manufacturer=Монолит, Package="1210 (3225M)", PartNumber="К10-84в-3225М-25В-0,47 мкФ ±10%-Н20-N-A", Tolerance=±10%, TypeCapacitor="Ceramic capacitor", TypeDielectric=Н20, Voltage=25V, Analog="MAX 00150226", HelpURL=http://www.monolit.vitebsk.by/Files/K10-84.pdf, ValueManufacturerPartNumber="Ceramic capacitor, 0.47мк, Н20, ±10%, 25V, 1210 (3225M),"
C21: library part Tantal_B, Manufacturer="\"Элеконд\"", Package="case B (3528)", PartNumber="К53-68 В-10 В-15 мкФ ±10%", Temperature=-55...+125°C, Tolerance=±10%, TypeCapacitor="Tantalum capacitor", Voltage=10V, MAX=00130628, ValueManufacturerPartNumber="Tantalum capacitor, 15мк, 10V, ±10%, , case B (3528), -55...+125°C"
DA1: library part 5545СА2У3, "Comparator USSR", Manufacturer="НПП ВОСТОК", Package=Н04.16-1В, Temperature=-60...+125°C, Analog=LM2903D, ComponentType="IC comparator", HelpURL=http://www.vostok.nsk.su/files/pdf/152181836987_5545ca2u3.pdf, OutputType="Open Drain", PartNumber=5545СА2У3, Supply="от ± 1,5В до ± 16,5В", TY="АЕЯР.431350.632-02 ТУ", ValueManufacturerPartNumber="IC comparator, Open Drain, от ± 1,5В до ± 16,5В, -60...+125°C, Н04.16-1В"
DA2: library part 1325ЕР1У, "Linear voltage regulator 3V3", CurrentOutput=0.8A, Manufacturer=Интеграл, Package=КТ-93-1, PartNumber=1325ЕН3.3У, Temperature=-40...+85°C, VoltageInput="input 4.75...15V", VoltageOutput="output 3.3V", ComponentType="Linear voltage regulator", HelpURL=https://www.integral.by/sites/default/files/pdf/specifikaciya_serii_1325.pdf, MAX=00141284, MaxDropout=1.3V, ValueManufacturerPartNumber="Linear voltage regulator, input 4.75...15V, 1.3V, output 3.3V, 0.8A, -40...+85°C, КТ-93-1"
DD1: library part 1921ВК035, "Cortex-M4F", Manufacturer=НИИЭТ, Package="48-QLCC (МК 5162.48-1)", Temperature=-60...+85°C, ComponentType="Motor control microcontroller", CoreProcessor=RISC, CoreSize=32-Bit, HelpURL=https://niiet.ru/goods/tranzmod/newtr, MemoryRAM=16KB, MemoryROM=64KB, PartNumber=1921ВК035, Speed=100MHz, Supply="3,3 В ± 10 %.", ValueManufacturerPartNumber="Motor control microcontroller, 32-Bit, RISC, 100MHz, 64KB, 16KB, 3,3 В ± 10 %., -60...+85°C, 48-QLCC (МК 5162.48-1)"
DD2: library part 5514БЦ1У2-541, "USSR Buffer QFN", Manufacturer=Анстрем, Package=5121.20-A, Temperature=-60...+125°C, Analog="функц.-й аналог 74(54)HC 541", ComponentType="8 канальный буфер", PartNumber=5514БЦ1У2-541, Supply=4.5..5.5V, ValueManufacturerPartNumber="8 канальный буфер, 4.5..5.5V, -60...+125°C, 5121.20-A"
DD3: "RS485 USSR", Manufacturer=Миландр, Package=Н02.8-1В, DataRate="30 Mbs", HelpURL=https://ic.milandr.ru/products/interfeysnye_mikroskhemy/rs485-rs422/5559in28u/, MAX=00148111, PartNumber=5559ИН28У, Supply=3-5V, Type="RS-485 transceiver"
L1 L2: library part Inductor_0603, Manufacturer=ЭРКОН, MaxCurrent=400mA, Package=0603, PartNumber="КИФ1608-1000 нГн ±20% О-А РКМУ.671340.002 ТУ", Temperature=-55...+125°C, Tolerance=±20%, TypeInductor="Fixed inductor", HelpURL=https://www.erkon-nn.ru/catalog/14/kif-vp/, R="0,8 Ом", ValueManufacturerPartNumber="Fixed inductor, 1мк, ±20%, 0603, 400mA, -55...+125°C"
NT1: library part NetTie
R1: library part Resistor_0603, Manufacturer="ОАО Ресурс", Package=0603, PartNumber="Р1-12-0,1ум.-1~МОм ±5%-М ШКАБ.434110.002 ТУ", Power=0.1W, Temperature=-55...+125°C, Tolerance=±5%, TypeResistor="Resistor film", HelpURL=https://aoresurs.com/catalog/chip_rezistory/rezistory-r1-12-kategoriya-kachestva-vp-/, MAX=00133970, ValueManufacturerPartNumber="Resistor film, 1М, ±5%, 0603, 0.1W, -55...+125°C"
R2 R4 R6: library part Resistor_0603, Manufacturer="ОАО Ресурс", Package=0603, PartNumber="Р1-12-0,1ум.-22~Ом ±5%-М ШКАБ.434110.002 ТУ", Power=0.1W, Temperature=-55...+125°C, Tolerance=±5%, TypeResistor="Resistor film", HelpURL=https://aoresurs.com/catalog/chip_rezistory/rezistory-r1-12-kategoriya-kachestva-vp-/, MAX=00134024, ValueManufacturerPartNumber="Resistor film, 22, ±5%, 0603, 0.1W, -55...+125°C"
R3: library part Resistor_0603, Manufacturer="ОАО Ресурс", Package=0603, PartNumber="Р1-12-0,1ум.-330~Ом ±5%-М ШКАБ.434110.002 ТУ", Power=0.1W, Temperature=-55...+125°C, Tolerance=±5%, TypeResistor="Resistor film", HelpURL=https://aoresurs.com/catalog/chip_rezistory/rezistory-r1-12-kategoriya-kachestva-vp-/, MAX=00134047, ValueManufacturerPartNumber="Resistor film, 330, ±5%, 0603, 0.1W, -55...+125°C"
R5 R7 R8 R9 R11 R12 R13 R14 R15 R16 R17 R20 R22 R25 R26 R29 R32 R33 R35 R36 R38 R39 R40 R41 R45 R47 R49 R50 R51 R52 R54 R55: library part Resistor_0603, Manufacturer="ОАО Ресурс", Package=0603, PartNumber="Р1-12-0,1ум.-10~кОм ±5%-М ШКАБ.434110.002 ТУ", Power=0.1W, Temperature=-55...+125°C, Tolerance=±5%, TypeResistor="Resistor film", HelpURL=https://aoresurs.com/catalog/chip_rezistory/rezistory-r1-12-kategoriya-kachestva-vp-/, MAX=00133985, ValueManufacturerPartNumber="Resistor film, 10k, ±5%, 0603, 0.1W, -55...+125°C"
  R5 R7 R8 R9 R51 R52: Analog="MAX 00133985"
  R11 R12 R13 R14 R15 R16 R17 R20 R22 R25 R26 R29 R32 R33 R35 R36 R38 R39 R40 R41 R45 R47 R49 R50 R54 R55: Analog="MAX 00133986 (1%)"
R10 R53: library part Resistor_0603, Manufacturer="ОАО Ресурс", Package=0603, PartNumber="Р1-12-0,1ум.-100~кОм ±5%-М ШКАБ.434110.002 ТУ", Power=0.1W, Temperature=-55...+125°C, Tolerance=±5%, TypeResistor="Resistor film", Analog="MAX 00122851", HelpURL=https://aoresurs.com/catalog/chip_rezistory/rezistory-r1-12-kategoriya-kachestva-vp-/, MAX=00133990, ValueManufacturerPartNumber="Resistor film, 100k, ±5%, 0603, 0.1W, -55...+125°C"
R18 R21 R24: library part Resistor_0603, Manufacturer="ОАО Ресурс", Package=0603, PartNumber="Р1-12-0,1ум.-100~Ом ±5%-М ШКАБ.434110.002 ТУ", Power=0.1W, Temperature=-55...+125°C, Tolerance=±5%, TypeResistor="Resistor film", HelpURL=https://aoresurs.com/catalog/chip_rezistory/rezistory-r1-12-kategoriya-kachestva-vp-/, MAX=00133991, ValueManufacturerPartNumber="Resistor film, 100, ±5%, 0603, 0.1W, -55...+125°C"
R19 R27 R30 R31 R34 R37 R42 R44 R46 R48: library part Resistor_0603, Manufacturer="ОАО Ресурс", Package=0603, PartNumber="Р1-12-0,1ум.-1~кОм ±1%-М ШКАБ.434110.002 ТУ", Power=0.1W, Temperature=-55...+125°C, Tolerance=±1%, TypeResistor="Resistor film", HelpURL=https://aoresurs.com/catalog/chip_rezistory/rezistory-r1-12-kategoriya-kachestva-vp-/, MAX=00133971, ValueManufacturerPartNumber="Resistor film, 1k, ±1%, 0603, 0.1W, -55...+125°C"
R23: library part Resistor_0603, Manufacturer="ОАО Ресурс", Package=0603, PartNumber="Р1-12-0,1ум.-4.02~кОм ±1%-М ШКАБ.434110.002 ТУ", Power=0.1W, Temperature=-55...+125°C, Tolerance=±1%, TypeResistor="Resistor film", HelpURL=https://aoresurs.com/catalog/chip_rezistory/rezistory-r1-12-kategoriya-kachestva-vp-/, MAX=00134054, ValueManufacturerPartNumber="Resistor film, 4.02k, ±1%, 0603, 0.1W, -55...+125°C"
R28: library part Resistor_0603, Manufacturer="ОАО Ресурс", Package=0603, PartNumber="Р1-12-0,1ум.-680~кОм ±5%-М ШКАБ.434110.002 ТУ", Power=0.1W, Temperature=-55...+125°C, Tolerance=±5%, TypeResistor="Resistor film", HelpURL=https://aoresurs.com/catalog/chip_rezistory/rezistory-r1-12-kategoriya-kachestva-vp-/, MAX=00134086, ValueManufacturerPartNumber="Resistor film, 680, ±5%, 0603, 0.1W, -55...+125°C"
R43: library part Resistor_0805, Manufacturer=Русские, Package=0805, PartNumber="Р1-12-0.125-120 Ом±5%-М", Power=0.125W, Temperature=-55...+125°C, Tolerance=±5%, TypeResistor="Resistor film", MAX=00133848, ValueManufacturerPartNumber="Resistor film, 120, ±5%, 0805, 0.125W, -55...+125°C"
RES: library part Jumper_single, Manufacturer="ОАО \"Карачевский завод \"Электродеталь\"", PartNumber=СНП377-2ВП21-1-02-04, Analog="MAX 00148900 (PLS2-2)", CommentText=reset, HelpURL=http://www.elektrodetal.com/product/soediniteli-dlya-pechatnyh-plat/snp377.html, MAX=00124338, Pitch=2mm, Type="штыри 2 пина в отв."
SRV: library part Jumper_single, Manufacturer="ОАО \"Карачевский завод \"Электродеталь\"", PartNumber="СНП391-2ВП21-1 РЮМК.430420.036 ТУ", Analog="PLL1.27 (MAX 00150250 с доработкой до 2 пинов)", CommentText="Erase FLASH", HelpURL=http://www.elektrodetal.com/product/soediniteli-dlya-pechatnyh-plat/snp377.html, Pitch=1.27mm, Type="штыри 2 пина в отв."
VD1: library part LED_single, Color=GREEN, Current="20mA max", Manufacturer=Протон, Package=1608, PartNumber=ИПД169А9-Л, Temperature=-55...+150°C, VoltageDrop="2.1V typ", Analog="MAX 00129484 КР-1608 Kingbright (pin-to-pin)", CommentText=TEST, TypeDiode=LED, ValueManufacturerPartNumber="LED, 20mA max, 2.1V typ, 1608, -55...+150°C"
VD2: library part LED_single, Color=GREEN, Current="20mA max", Manufacturer=Протон, Package=1608, PartNumber=ИПД169А9-Л, Temperature=-55...+150°C, VoltageDrop=1.9V@4mA, Analog="MAX 00129484 КР-1608 Kingbright (pin-to-pin)", CommentText=5V, TypeDiode=LED, ValueManufacturerPartNumber="LED, 20mA max, 1.9V@4mA, 1608, -55...+150°C"
VD3: library part Diode_array2, Current=200mA, Manufacturer=Россия, Package=SOT-23, PartNumber=2Д803АС9, Voltage=50V, VoltageDrop=1.1V, HelpURL=https://www.chipdip.ru/product/2d803as9, MAX=00122900, TypeDiode="Diode array common anode", ValueManufacturerPartNumber="Diode array common anode, 50V, 200mA, 1.1V, , SOT-23,"
VT1 VT2 VT3 VT4 VT5 VT6: library part BJT_NPN_132, CurrentCE=100mA, CurrentGain=500, Manufacturer="ООО НПК Далекс", MaxPower=300mW, Package="SOT-23 (КТ-46)", PartNumber=2Т3130Б9, Temperature=-55...+125°C, VoltageCE=30V, VoltageSaturation=0.7V, HelpURL=http://www.radioman-portal.ru/sprav/pp/transisters/sourse/2t3130.pdf, MAX=00123842, TypeTransistor="NPN transistor", ValueManufacturerPartNumber="NPN transistor, 30V, 100mA, , 300mW, 0.7V, 500, SOT-23 (КТ-46), -55...+125°C"
XP1: library part PLLD1.27-6_1, "аналог СНП391-6ВП41-2", CurrentMax=1A, Manufacturer=Электроделать, PartNumber="СНП391-6ВП41-2 РЮМК.430420.036 ТУ", ValueManufacturerPartNumber="Connector, 6pin, 1.27mm, 125VAC, 1A", VoltageMax=125VAC, Analog="MAX 00130684 c доработкой до 6 пинов", Analog 1=PLLD1.27-6, CommentText=СНП391, HelpURL=https://www.elektrodetal.com/catalog/snp391/, Multichannel=6pin, Pitch=1.27mm, TypeConnector=Connector
XP2: library part PLD2-8-S, "СНП377-8ВП41-2 SMD", Manufacturer="ОАО \"Карачевский завод \"Электродеталь\"", PartNumber=СНП377-8ВП41-2, Analog=PLD2-8-S, CommentText=СПН377, HelpURL=https://www.elektrodetal.com/catalog/snp377/, Pitch=2mm, TU="РЮМК.430420.017 ТУ", Type=Вилка
XP3 XP6: library part PLS2-1, "Test probe", Manufacturer=Электродеталь, PartNumber=СНП377-1ВП21-1, Tolerance=СНП377, Analog=PLS2-1, HelpURL=https://www.elektrodetal.com/catalog/snp377/, Published=2019, Publisher=TEN, Type="Control pin", Шаг=2mm
  XP3: RefDes/Designator=MAX
XP4: library part "M80-5000605 Harwin", "вилка на плату", CurrentMax=1.5A, Manufacturer=Электроделать, PartNumber=СНП401-6ВП21-3-1-1, VoltageMax=120VAC, Analog="MAX 00126397 (M80-5000605 pin-to-pin)", CommentText=СНП401, HelpURL=https://eu.mouser.com/ProductDetail/Harwin/M80-5000605?qs=yQtJ9TWM%2F1KaJIUUBEXorg%3D%3D, Multichannel=6pin, Pitch=2mm, TypeConnector=Вилка, ValueManufacturerPartNumber="Вилка, 6pin, 2mm, 120VAC, 1.5A"
XP5: library part "M80-5001205 Harwin", "вилка на плату", CurrentMax=1.5A, Manufacturer=Электродеталь, PartNumber=СНП401-12ВП21-3-1-1, VoltageMax=100V, Analog="MAX 00138662 (M80-5101205 pin-to-pin)", CommentText=СНП401, HelpURL=https://eu.mouser.com/ProductDetail/Harwin/M80-5001205?qs=yQtJ9TWM%2F1IJJSuF%2FTVm0Q==, Multichannel=12pin, Pitch=2mm, TypeConnector=Вилка, ValueManufacturerPartNumber="Вилка, 12pin, 2mm, 100V, 1.5A"
XS1: library part PBD-18, CurrentMax=3A, Manufacturer=Электродеталь, PartNumber="СНП393-18РП21-2 РЮМК.430420.035 ТУ", VoltageMax=500VAC, Analog="MAX 00135030 с доработкой до 18-pin", CommentText=СНП393, HelpURL=https://www.elektrodetal.com/catalog/snp393/, Multichannel=18pin, Pitch=2.54mm, TypeConnector=Connector, ValueManufacturerPartNumber="Connector, 18pin, 2.54mm, 500VAC, 3A"